# KiCad board raw.kicad_pcb (continued)
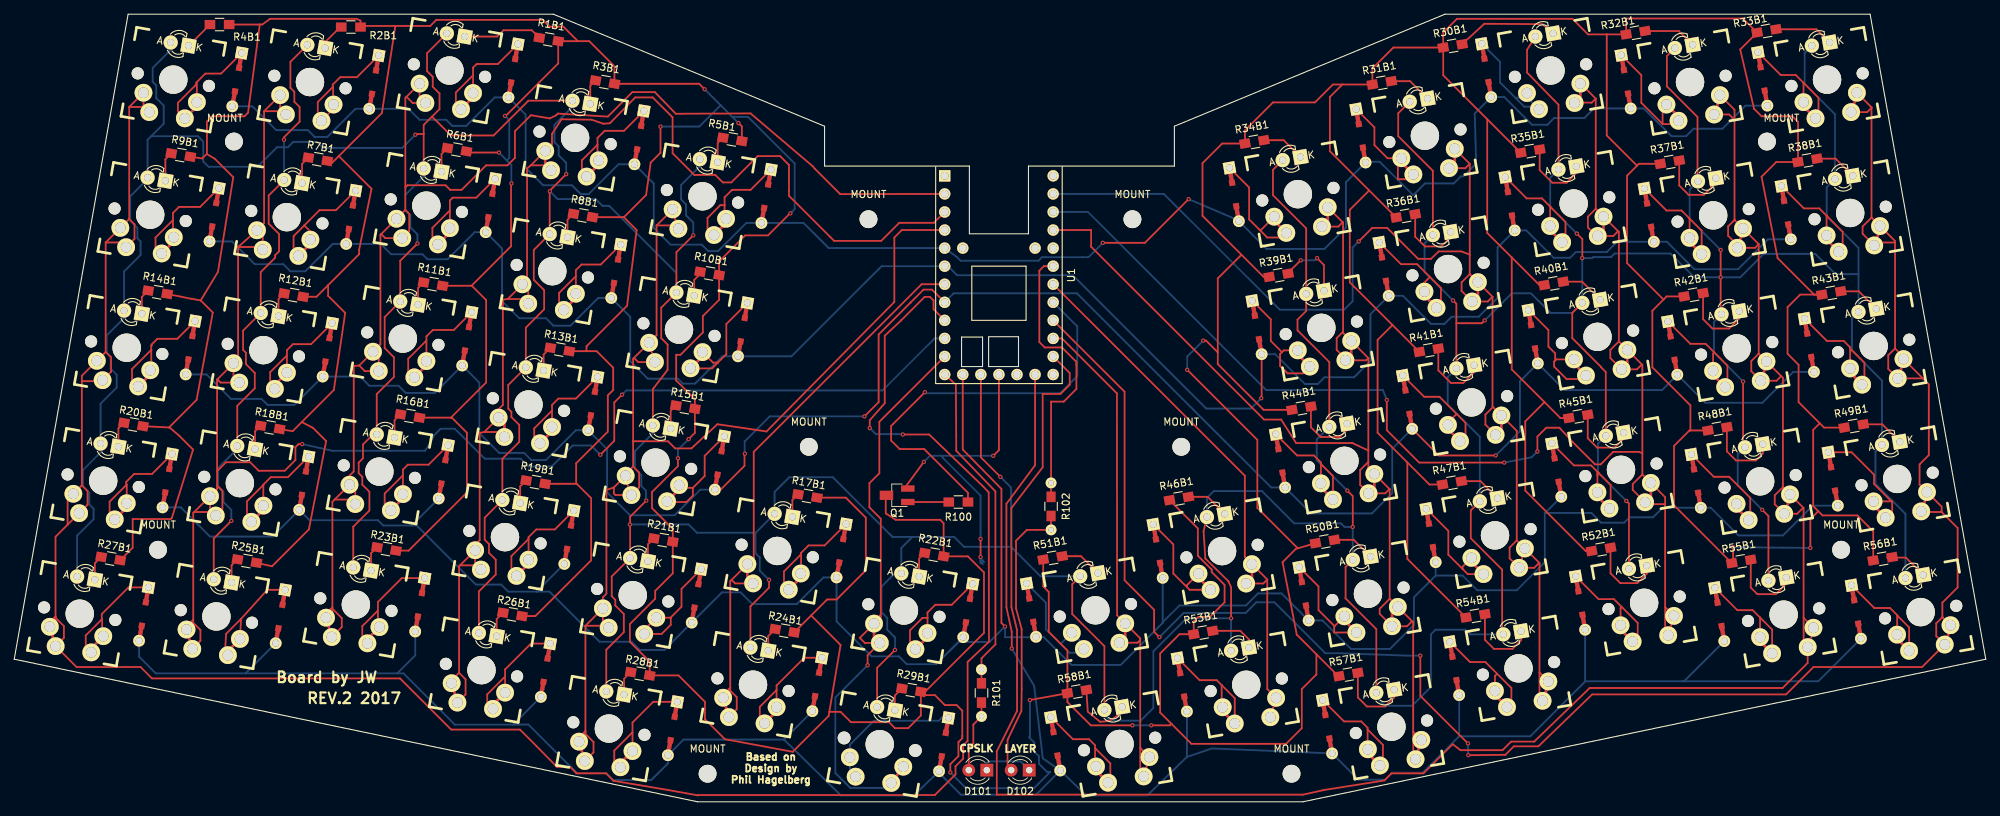
[diagram p0: board, top side]
## Routing (per net, layer and track width the routed paths; a pad name or vN(x,y) marks a point on that pad's centre or on a via; arc(x,y) is an arc through that point) (continued)
Net-(SW_1-PadSW1): length 208.2
  Top w0.254: 44.7,27.15 44.7,26.78 SW_23.SW1 44.45,26.53 44.45,27.1 44.7,27.35 ; 44.7,27.15 46.02,25.83 46.02,24.57 SW_23.SW1 ; 44.7,27.15 44.7,27.35 ; 45.02,42.5 44.7,42.18 44.7,27.35 ; 45.02,42.5 47.28,42.5 SW_16.SW1 47.92,43.78 SW_16.SW1 ; 45.02,42.5 SW_16.SW1 ; 48.47,61.35 47.7,61.28 47.7,46.45 47.11,45.86 SW_16.SW1 ; 48.47,61.35 49.25,60.57 SW_11.SW1 ; 48.47,61.35 SW_11.SW1 ; 51.56,79.84 51.45,79.73 51.45,64.33 SW_11.SW1 ; 51.56,79.84 52.13,79.27 SW_6.SW1 55.5,80.25 55.5,82.68 54.95,83.23 ; 51.56,79.84 SW_6.SW1 54.95,83.23 ; 54.95,83.23 54.95,86.4 ; 54.95,86.4 54.95,98.98 55.11,99.14 ; 54.95,86.4 55.25,86.7 60.6,86.7 61.25,86.05 62.85,86.05 66.3,89.5 69.3,89.5 70.35,90.55 70.35,94.3 72.6,96.55 75.25,96.1 76.12,96.52 76.38,96.77 83.4,96.35 86.85,99.8 90,99.8 92.95,96.75 103.45,96.8 112.18,89.38 112.48,89.02 116.05,85.45 U1.2 ; 55.11,99.14 55.98,98.27 SW_1.SW1 56.96,99.08 SW_1.SW1 55.11,99.14 ; SW_11.SW1 51.22,62.48 SW_11.SW1 ; SW_11.SW1 52.05,61.4
  Top w0.381: SW_23.SW1 SW_23.SW1
Net-(SW_10-PadSW1): length 183.6
  Top w0.254: 80.25,24.75 80.25,24.75 80.25,9.95 ; 80.25,24.75 SW_21.SW1 ; 80.25,24.75 83.25,24.75 SW_21.SW1 82.71,25.29 SW_21.SW1 ; 84.24,44.19 84.25,44.2 84.25,43.35 84.47,43.13 SW_15.SW1 ; 84.24,44.19 83.2,43.85 83.2,29.25 82.71,28.76 SW_21.SW1 ; 84.24,44.19 85.9,45.86 SW_15.SW1 85.91,46.11 86.95,47.15 ; 87.08,62.42 86.95,62.3 86.95,50.7 ; 87.08,62.42 87.67,61.83 SW_10.SW1 89.2,64.44 ; 87.08,62.42 SW_10.SW1 90.25,65.6 90.25,81.05 ; 90.25,81.05 92.85,81.05 SW_5.SW1 92.51,83 ; 90.25,81.05 SW_5.SW1 ; 80.25,9.95 79.36,9.06 SW_28.SW1 ; 80.25,9.95 80.25,9.85 ; 86.95,47.15 86.95,50.7 ; 86.95,47.15 87.8,46.3 87.8,44.22 SW_15.SW1 ; 86.95,50.7 91.85,50.7 92.85,49.7 95.15,49.7 98.8,53.09 105.7,52.08 123.65,70.28 123.65,79.35 124.7,80.4 U1.4 ; SW_15.SW1 85.91,45.3 ; SW_28.SW1 80.2,9.3 80.2,9.5 80.25,9.55 ; SW_28.SW1 79.36,8.96 80.25,9.85 ; 80.25,9.55 80.25,9.85 ; 80.25,9.55 81.39,8.41 81.39,6.96 SW_28.SW1 80.17,6.02
  Top w0.381: SW_28.SW1 SW_28.SW1
Net-(SW_12-PadSW1): length 241.9
  Top w0.254: 25.15,25.17 25.15,25.6 ; 25.15,25.17 26.16,24.16 26.16,22.64 SW_25.SW1 ; 25.15,25.17 SW_25.SW1 24.9,24.92 24.9,25.35 25.15,25.6 ; 25.15,25.6 25.15,40.62 25.28,40.75 ; 25.28,40.75 27.82,40.75 SW_18.SW1 ; 25.28,40.75 SW_18.SW1 ; 28.5,44.5 28.5,43.97 SW_18.SW1 ; 28.5,44.5 28.5,46.5 ; 28.5,44.5 29.25,43.75 29.25,41.18 SW_18.SW1 ; 28.54,59.41 28.5,59.37 28.5,46.5 ; 28.54,59.41 SW_12.SW1 ; 28.54,59.41 29,58.95 SW_12.SW1 30.81,59.76 SW_12.SW1 ; 31.45,78.02 SW_7.SW1 ; 31.45,78.02 34.55,78.02 SW_7.SW1 34.92,79.56 SW_7.SW1 ; 31.45,78.02 31.45,62.32 SW_12.SW1 ; SW_7.SW1 35.1,81.37 35.1,97.12 ; 35.1,97.12 SW_2.SW1 37.36,97.46 SW_2.SW1 37.7,97.12 35.1,97.12 ; SW_18.SW1 27.51,41.06 SW_18.SW1 ; 28.5,46.5 29.75,47.75 33.15,47.75 34.35,46.55 38,46.55 39.5,48.05 39.5,49.85 39.95,50.3 v1(40.45,50.3) ; v1(82.35,48.8) 84.3,50.75 84.3,56.15 v1(85.4,57.25)
  Top w0.381: SW_25.SW1 SW_25.SW1
  Bottom w0.254: v1(40.45,50.3) 44.75,49.35 57.7,49.35 58.3,50.17 59,51.55 59.9,52.45 61.9,52.45 66.1,48.25 71.15,48.25 72.25,47.15 75.5,47.15 78.45,50.1 81.05,50.1 v1(82.35,48.8) ; v1(85.4,57.25) 86,57.85 122,57.85 129.31,65.16 U1.10
Net-(SW_13-PadSW1): length 194.2
  Top w0.254: 62.63,33.25 62.5,33.12 62.5,18.15 62.49,18.14 ; 62.63,33.25 64.97,33.25 SW_19.SW1 64.76,33.46 SW_19.SW1 ; 62.63,33.25 SW_19.SW1 ; 66.03,52 65.4,51.87 65.4,36.8 64.76,36.16 SW_19.SW1 ; 66.03,52 68.17,52 SW_13.SW1 69.7,52.13 ; 66.03,52 SW_13.SW1 ; 69.33,70.7 68.65,70.62 68.65,55.8 68.06,55.21 SW_13.SW1 ; 69.33,70.7 71.57,70.7 SW_8.SW1 72.22,71.96 SW_8.SW1 69.33,70.7 ; 72.05,73.52 72.05,89.07 72.59,89.51 ; 72.59,89.51 74.71,89.51 SW_3.SW1 ; 72.59,89.51 SW_3.SW1 75.55,92.47 75.55,93.9 76.9,95.98 81.13,95.91 82.77,95.35 83.69,95.42 87.25,99.05 89.7,99.05 92.5,96.25 92.5,91.2 95.55,88.15 98.5,88.15 99.55,87.1 100.75,87.1 104.45,90.8 107.6,90.8 108.85,89.55 108.85,85.85 108.85,85.22 115.2,78.87 121.8,78.87 124.34,81.41 129.2,81.41 U1.3 ; SW_13.SW1 68.87,53.21 ; SW_26.SW1 61.46,17.11 62.49,18.14 ; 62.49,18.14 63.41,17.22 63.41,15.09 SW_26.SW1
  Top w0.381: SW_3.SW1 74.61,89.61 SW_3.SW1 ; SW_13.SW1 68.87,53.21 SW_13.SW1 ; SW_26.SW1 SW_26.SW1
Net-(SW_14-PadSW1): length 343.4
  Top w0.254: 5.8,26.05 5.8,25.4 SW_27.SW1 5.55,25.15 5.55,25.8 5.8,26.05 ; 5.8,26.05 5.8,37.27 7.5,38.97 ; 5.8,26.05 5.8,25.88 6.98,24.7 6.98,23.05 SW_27.SW1 8.75,18.95 17.75,18.95 19.35,17.35 54.2,17.35 61.4,10.15 71.05,10.15 73.4,7.8 76.25,4.9 78.1,4.9 79,4 83.15,4 84.2,2.95 91.83,1.66 96.05,0.9 96.1,0.95 129.35,0.95 132.25,3.85 132.25,5 133.32,6.06 133.32,7.92 133.95,8.55 133.95,19.66 134.07,19.78 136.95,22.5 136.91,43.51 136.16,44.31 128.55,51.65 v1(124.85,51.65) ; 7.5,38.97 7.5,42.5 SW_20.SW1 9.5,44.5 ; 7.5,38.97 SW_20.SW1 10.3,41.77 10.3,43.7 9.5,44.5 ; 9.5,59.15 9.5,44.5 9.5,44.5 ; 9.5,59.15 12.28,59.15 SW_14.SW1 13.6,60.47 13.6,62.5 12.85,63.25 ; 9.5,59.15 9.5,59.9 SW_14.SW1 12.85,63.25 ; 12.85,63.25 12.85,78.65 ; 12.85,78.65 SW_9.SW1 16.15,81.95 ; 12.85,78.65 15.05,78.65 SW_9.SW1 16.9,79.17 16.9,81.2 16.15,81.95 ; 16.15,97.7 16.15,81.95 16.15,81.95 ; 16.15,97.7 18.25,97.7 SW_4.SW1 18.16,97.8 SW_4.SW1 16.15,97.7 ; v1(120.2,52.55) 120.2,53.65 122.31,56.05 122.31,65.54 124.6,67.69 ; 124.6,67.69 124.61,67.7 ; 124.6,67.69 127.91,71 128.66,71 129.17,70.49 129.17,69.26 U1.9
  Top w0.381: SW_27.SW1 5.34,23.41 SW_27.SW1
  Bottom w0.254: v1(124.85,51.65) 124.8,51.7 121.05,51.7 v1(120.2,52.55)
Net-(SW_17-PadSW1): length 89.4
  Top w0.254: 100.6,15.62 100.6,16.05 ; 100.6,15.62 101.51,14.71 101.51,13 SW_24.SW1 ; 100.6,15.62 SW_24.SW1 100.35,15.37 100.35,15.8 100.6,16.05 ; 100.6,16.05 100.6,31.02 100.79,31.21 ; 100.79,31.21 101.29,30.71 SW_17.SW1 ; 100.79,31.21 SW_17.SW1 103.9,34.32 103.9,49.2 127.48,72.78 U1.7
  Top w0.381: SW_17.SW1 103.01,31.52 SW_17.SW1 ; 100.3,15.32 SW_24.SW1 SW_24.SW1
Net-(SW_22-PadSW1): length 89.4
  Top w0.254: SW_22.SW1 118.8,23.05 119.52,22.33 SW_22.SW1 119.9,20.62 v1(119.9,19.2) ; SW_22.SW1 121.75,26 121.75,26.3 ; SW_22.SW1 120.81,25.91 ; SW_22.SW1 120.81,25.36 121.75,26.3 ; SW_22.SW1 120.81,26.11 ; U1.11 121.55,53.44 121.55,46.2 120.15,44.8 120.15,41.4 121.75,39.8 121.75,26.3 ; SW_29.SW1 122.4,3.47
  Top w0.381: SW_22.SW1 120.81,23.14 SW_22.SW1 ; SW_29.SW1 SW_29.SW1
  Bottom w0.254: v1(119.9,19.2) 115.37,14.67 115.37,4.04 117.46,1.95 122.52,1.95 SW_29.SW1
Net-(SW_30-PadSW1): length 233.4
  Top w0.254: 228.75,46.03 228.75,49 ; 228.75,46.03 227.4,44.68 227.4,43.85 SW_45.SW1 229.4,41.85 231.95,41.85 ; 228.75,46.03 SW_45.SW1 231.95,42.83 231.95,41.85 ; 228.75,49 228.75,61.43 228.68,61.5 ; 228.75,49 228.3,49.2 224.65,49.2 222.9,47.45 222.1,47.45 218.99,50.56 217.1,52.6 215.25,52.6 214,51.35 v1(214,49.25) ; 228.68,61.5 228,60.82 SW_40.SW1 224.25,62.4 224.25,63.53 225.45,64.73 ; 228.68,61.5 SW_40.SW1 225.45,64.73 ; 225.45,64.73 225.45,80.13 225.34,80.24 ; 225.34,80.24 224.67,79.57 SW_35.SW1 222.28,79.57 221.1,80.75 221.1,82.28 222.2,83.38 ; 225.34,80.24 SW_35.SW1 222.2,83.38 ; 222.2,83.38 222.2,98.88 ; 222.2,98.88 220.04,101.04 ; 222.2,98.88 221.63,98.32 219.23,98.32 ; 231.95,41.85 231.95,27.38 ; 231.95,27.38 SW_52.SW1 SW_52.SW1 ; 231.95,27.38 231.95,23.85 SW_52.SW1 ; v1(209.35,47.7) 197.4,47.7 192.85,52.25 v1(192.85,56.5) ; SW_52.SW1 232.38,23.42
  Top w0.381: SW_45.SW1 229.94,42.93 SW_45.SW1 ; SW_40.SW1 226.64,61.63 SW_40.SW1 ; SW_35.SW1 223.29,80.38 SW_35.SW1 ; 220.04,101.04 220.04,99.13 219.23,98.32
  Bottom w0.254: v1(214,49.25) 213.2,48.45 v1(209.35,47.7) ; v1(192.85,56.5) 192.3,57.9 175.9,57.9 150.86,82.94 U1.27
Net-(SW_31-PadSW1): length 200.3
  Top w0.254: 214.3,18.17 214.3,33.57 214.26,33.61 ; 214.3,18.17 SW_54.SW1 ; 214.3,18.17 214.3,14.63 SW_54.SW1 214.7,14.2 ; 214.26,33.61 213.55,32.9 SW_47.SW1 ; 214.26,33.61 SW_47.SW1 ; 207.7,71.02 207.7,55.57 207.76,55.51 ; 207.7,71.02 SW_36.SW1 204.51,74.21 ; 207.7,71.02 207.03,70.35 SW_36.SW1 203.35,71.83 203.35,73.05 204.51,74.21 ; 204.5,76.95 204.5,74.22 204.51,74.21 ; 204.5,76.95 204.5,89.72 ; 204.5,76.95 203.3,77.4 200.15,77.4 199.05,76.35 197.25,76.35 192.9,80.7 190.8,80.7 v1(188.9,78.8) ; 204.5,89.72 SW_31.SW1 ; 204.5,89.72 203.88,89.1 SW_31.SW1 ; 207.76,55.51 206.7,54.45 206.7,53.03 SW_41.SW1 ; 207.76,55.51 SW_41.SW1 211.1,52.17 211.1,36.77 211.11,36.76 ; SW_47.SW1 SW_47.SW1 ; SW_47.SW1 211.11,36.76 ; 211.11,36.76 210.1,35.75 210.1,34.23 SW_47.SW1
  Top w0.381: SW_54.SW1 215.19,15.45 SW_54.SW1 ; SW_41.SW1 208.94,52.41 SW_41.SW1 ; SW_36.SW1 205.64,71.16 SW_36.SW1 ; SW_31.SW1 202.39,89.91 SW_31.SW1
  Bottom w0.254: v1(188.9,78.8) 188.05,77.95 188.05,70.4 186.85,69.2 177.8,69.2 161.52,85.48 U1.28
Net-(SW_32-PadSW1): length 315.7
  Top w0.254: 251.36,41.36 251.4,41.32 251.4,25.87 251.41,25.85 ; 251.36,41.36 250.5,40.5 SW_48.SW1 ; 251.36,41.36 SW_48.SW1 248.5,44.22 248.5,44.25 ; 245.1,78.42 245.1,63.02 245.09,63.01 ; 245.1,78.42 244.58,77.9 SW_37.SW1 242.08,78.32 240.8,79.6 240.8,80.92 241.69,81.81 ; 245.1,78.42 SW_37.SW1 241.71,81.81 241.69,81.81 ; 241.7,95.9 241.7,81.82 241.69,81.81 ; 241.7,95.9 240.95,96.65 SW_32.SW1 ; 241.7,95.9 241.7,97.32 SW_32.SW1 ; 248.25,59.85 247.6,59.2 SW_42.SW1 245.38,59.22 244.05,60.55 244.05,61.97 245.09,63.01 ; 248.25,59.85 248.26,59.86 248.5,59.62 248.5,44.25 ; 248.25,59.85 248.25,59.87 SW_42.SW1 245.11,63.01 245.09,63.01 ; U1.19 148.3,60.29 148.3,58.65 147,57.35 144.5,57.35 144.5,47.05 140.1,41.3 140.1,27.4 140.89,24.18 140.89,12.76 138.05,7.1 138.05,1 181.05,1 184.03,1.66 192.5,3 193.5,4 198,4 202.1,8.1 203.2,7.25 209.1,7.25 210.3,8.45 213.55,8.45 221.35,16 248.45,16 251.98,19.53 SW_55.SW1 ; SW_48.SW1 247.35,41.83 247.35,43.1 248.5,44.25 ; SW_48.SW1 248.68,40.82 ; 251.41,25.85 SW_55.SW1 ; 251.41,25.85 251.41,22.32 SW_55.SW1 ; SW_55.SW1 252.79,23.98
  Top w0.381: SW_42.SW1 246.19,61.48 ; SW_37.SW1 242.89,80.18 ; SW_32.SW1 239.64,98.93 ; SW_48.SW1 249.49,42.78
Net-(SW_33-PadSW1): length 305.6
  Top w0.254: 260.95,97.65 260.95,82.15 260.92,82.13 ; 260.95,97.65 260.95,97.6 260.34,96.99 SW_33.SW1 ; 260.95,97.65 SW_33.SW1 ; 270.8,40.75 268.02,40.75 SW_49.SW1 ; 270.8,40.75 270.8,41.5 SW_49.SW1 267.7,44.6 267.7,47.45 269,48.75 269,58.7 268.2,59.5 ; 270.8,40.75 273.05,38.5 273.05,30.15 270.9,28 270.9,25.95 ; 268.2,59.5 268.17,59.54 SW_43.SW1 263.3,60.87 263.3,62.8 264.25,63.75 ; 268.2,59.5 SW_43.SW1 265.44,62.56 264.25,63.75 ; 264.25,63.75 264.25,78.65 ; 264.25,78.65 261.75,78.65 SW_38.SW1 259.7,79.87 259.7,80.9 260.92,82.13 ; 264.25,78.65 264.25,78.85 SW_38.SW1 260.98,82.13 260.92,82.13 ; v1(204.3,6.55) 209.5,6.6 210.7,7.8 214.15,7.8 221.7,15.1 248.95,15.1 252.8,18.95 268.05,18.95 271.21,22.11 SW_56.SW1 270.04,23.3 270.04,25.09 270.9,25.95 ; v1(160.9,23.15) 160.15,23.9 160.15,27 156,31.15 156,57.67 U1.21 ; v1(204.25,8.2) 197.55,14.9 v1(197.55,20.55) ; SW_56.SW1 270.92,25.95 270.9,25.95
  Top w0.381: SW_38.SW1 262.14,80.46 ; SW_56.SW1 272.04,24.4 ; SW_43.SW1 265.44,61.81 ; SW_33.SW1 258.89,99.31 ; SW_49.SW1 268.74,43.11
  Bottom w0.254: v1(204.3,6.55) 204.25,6.46 v1(204.25,8.2) ; v1(160.9,23.15) 164.3,26.55 173,26.55 174.5,28.05 177.05,28.05 184.2,20.9 185.95,20.9 195.8,20.55 v1(197.55,20.55)
Net-(SW_34-PadSW1): length 186.5
  Top w0.254: 196.4,25.4 196.55,25.25 196.55,9.85 196.56,9.84 ; 196.4,25.4 195.68,24.68 SW_50.SW1 191.85,26.42 191.85,27.15 193.25,28.55 ; 196.4,25.4 SW_50.SW1 193.25,28.55 ; 193.25,28.55 193.25,43.95 193.22,43.97 ; 193.22,43.97 SW_44.SW1 190.25,46.95 190.25,47.8 ; 193.22,43.97 192.63,43.38 SW_44.SW1 189.1,44.57 189.1,46.65 190.25,47.8 ; 190.25,47.8 190.25,49.4 ; 190.25,62.4 SW_39.SW1 186.7,65.95 186.7,66.1 ; 190.25,62.4 189.93,62.08 SW_39.SW1 187.03,62.32 185.8,63.55 185.8,65.2 186.7,66.1 ; 190.25,62.4 190.25,49.4 ; 186.7,66.1 186.7,81.45 186.65,81.5 ; 186.65,81.5 186.03,80.88 SW_34.SW1 ; 186.65,81.5 SW_34.SW1 ; 190.25,49.4 188,50.45 180.1,50.45 178,53.75 175.6,53.75 151.3,78.05 151.3,80.4 U1.26 ; 196.56,9.84 196.56,6.31 SW_57.SW1 196.77,5.98 ; 196.56,9.84 197.7,8.71
  Top w0.381: 197.7,8.71 197.36,7.62 SW_57.SW1 ; SW_44.SW1 191.09,44.19 SW_44.SW1 ; SW_39.SW1 187.84,62.89 SW_39.SW1 ; SW_34.SW1 184.54,81.69 SW_34.SW1 ; SW_50.SW1 193.58,26.6 SW_50.SW1
Net-(SW_46-PadSW1): length 80.2
  Top w0.254: 176.05,31.26 SW_46.SW1 172.9,34.41 172.9,45.85 U1.23 ; 176.05,31.26 175.48,30.69 SW_46.SW1 ; 176.05,31.26 176.05,15.86 SW_53.SW1 177.3,14.61 SW_53.SW1
  Top w0.381: SW_46.SW1 173.89,31.5 SW_46.SW1
Net-(SW_51-PadSW1): length 78.4
  Top w0.254: 158.2,7.58 158.2,22.75 ; 158.2,7.58 SW_58.SW1 SW_58.SW1 158.2,4.05 158.2,7.58 ; 158.2,22.75 157.82,22.37 SW_51.SW1 ; 158.2,22.75 158.2,22.98 SW_51.SW1 154.95,26.23 154.93,57.43 147.2,65.16 U1.20
  Top w0.381: SW_51.SW1 156.09,23.18 SW_51.SW1

## Text on the board
F.SilkS: Based on / Design by / Phil Hagelberg | CPSLK | LAYER | Board by JW | REV.2 2017
